# Altium PCB Wireless_Detector.PcbDoc (part 1 of 2)
Units mil, origin at the board's own origin, x right, y up, seen from the top; angles counter-clockwise.
Board outline 3157.48 x 3606.3 mil, 4 copper layers (Top Layer, GND, PWR, Bottom Layer), stack 53.912 mil thick; 127 components, 88 nets, 453 pads, 190 vias.
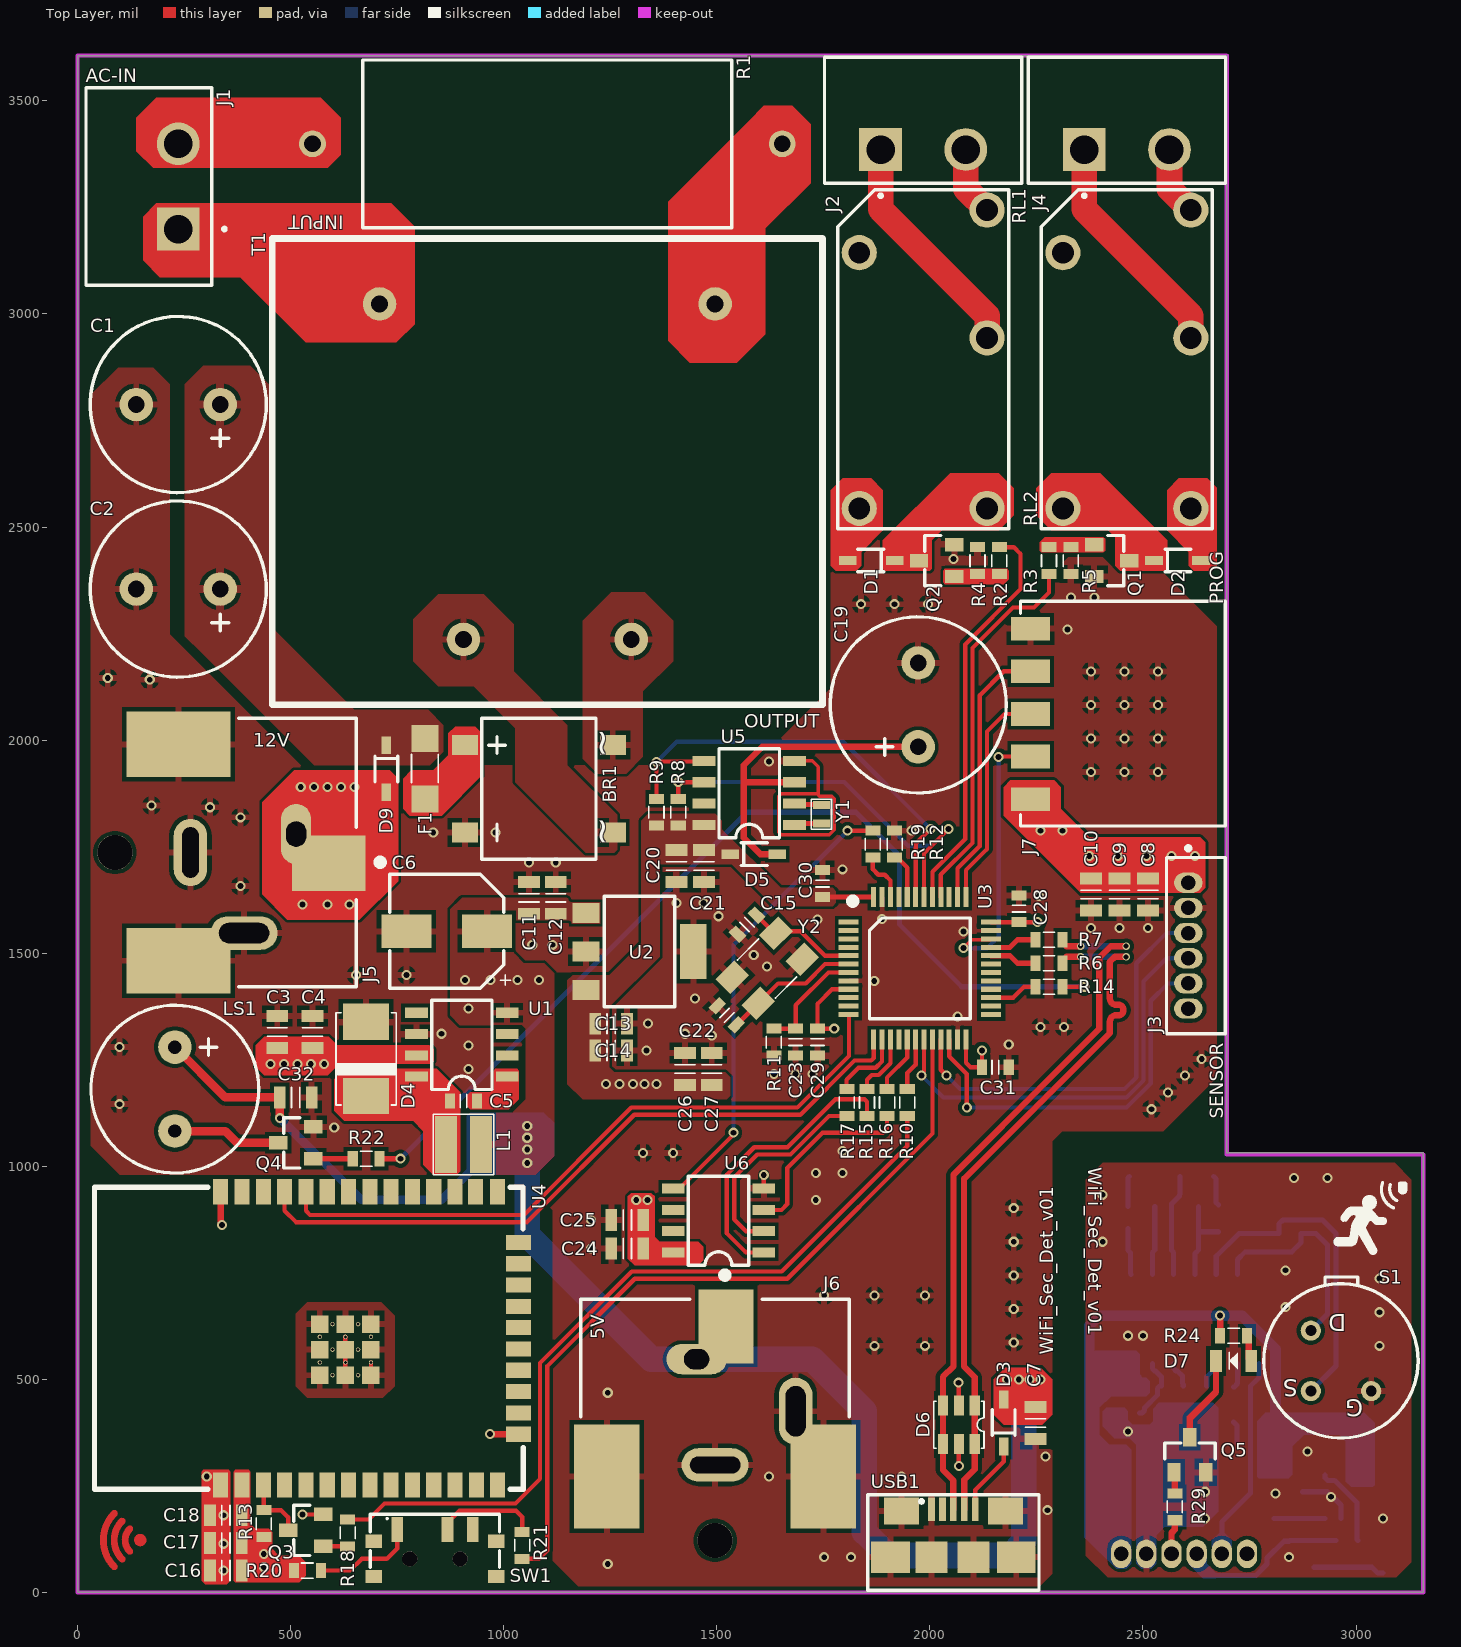
[diagram p0: Top Layer view]
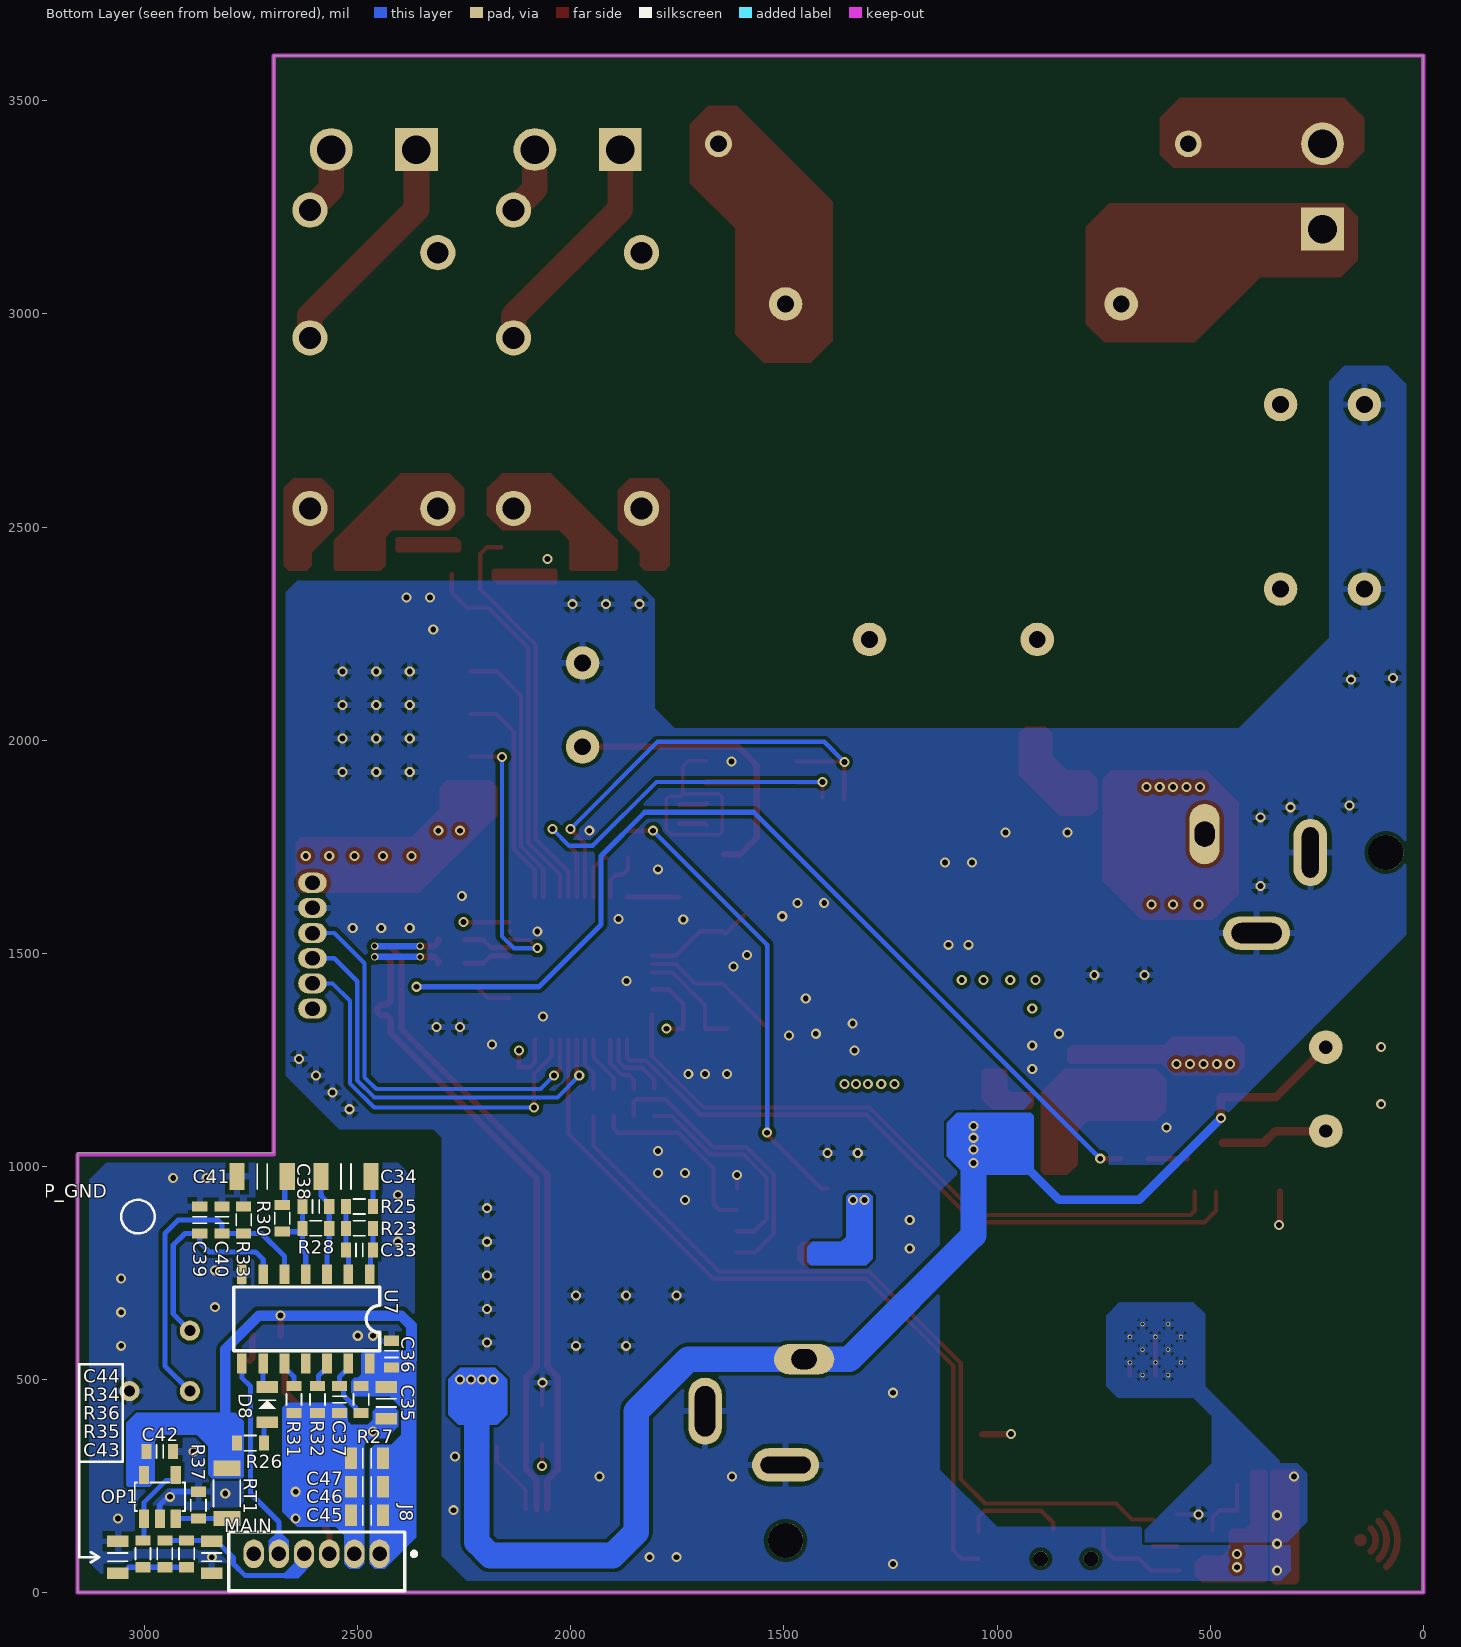
[diagram p1: Bottom Layer view, seen from below]
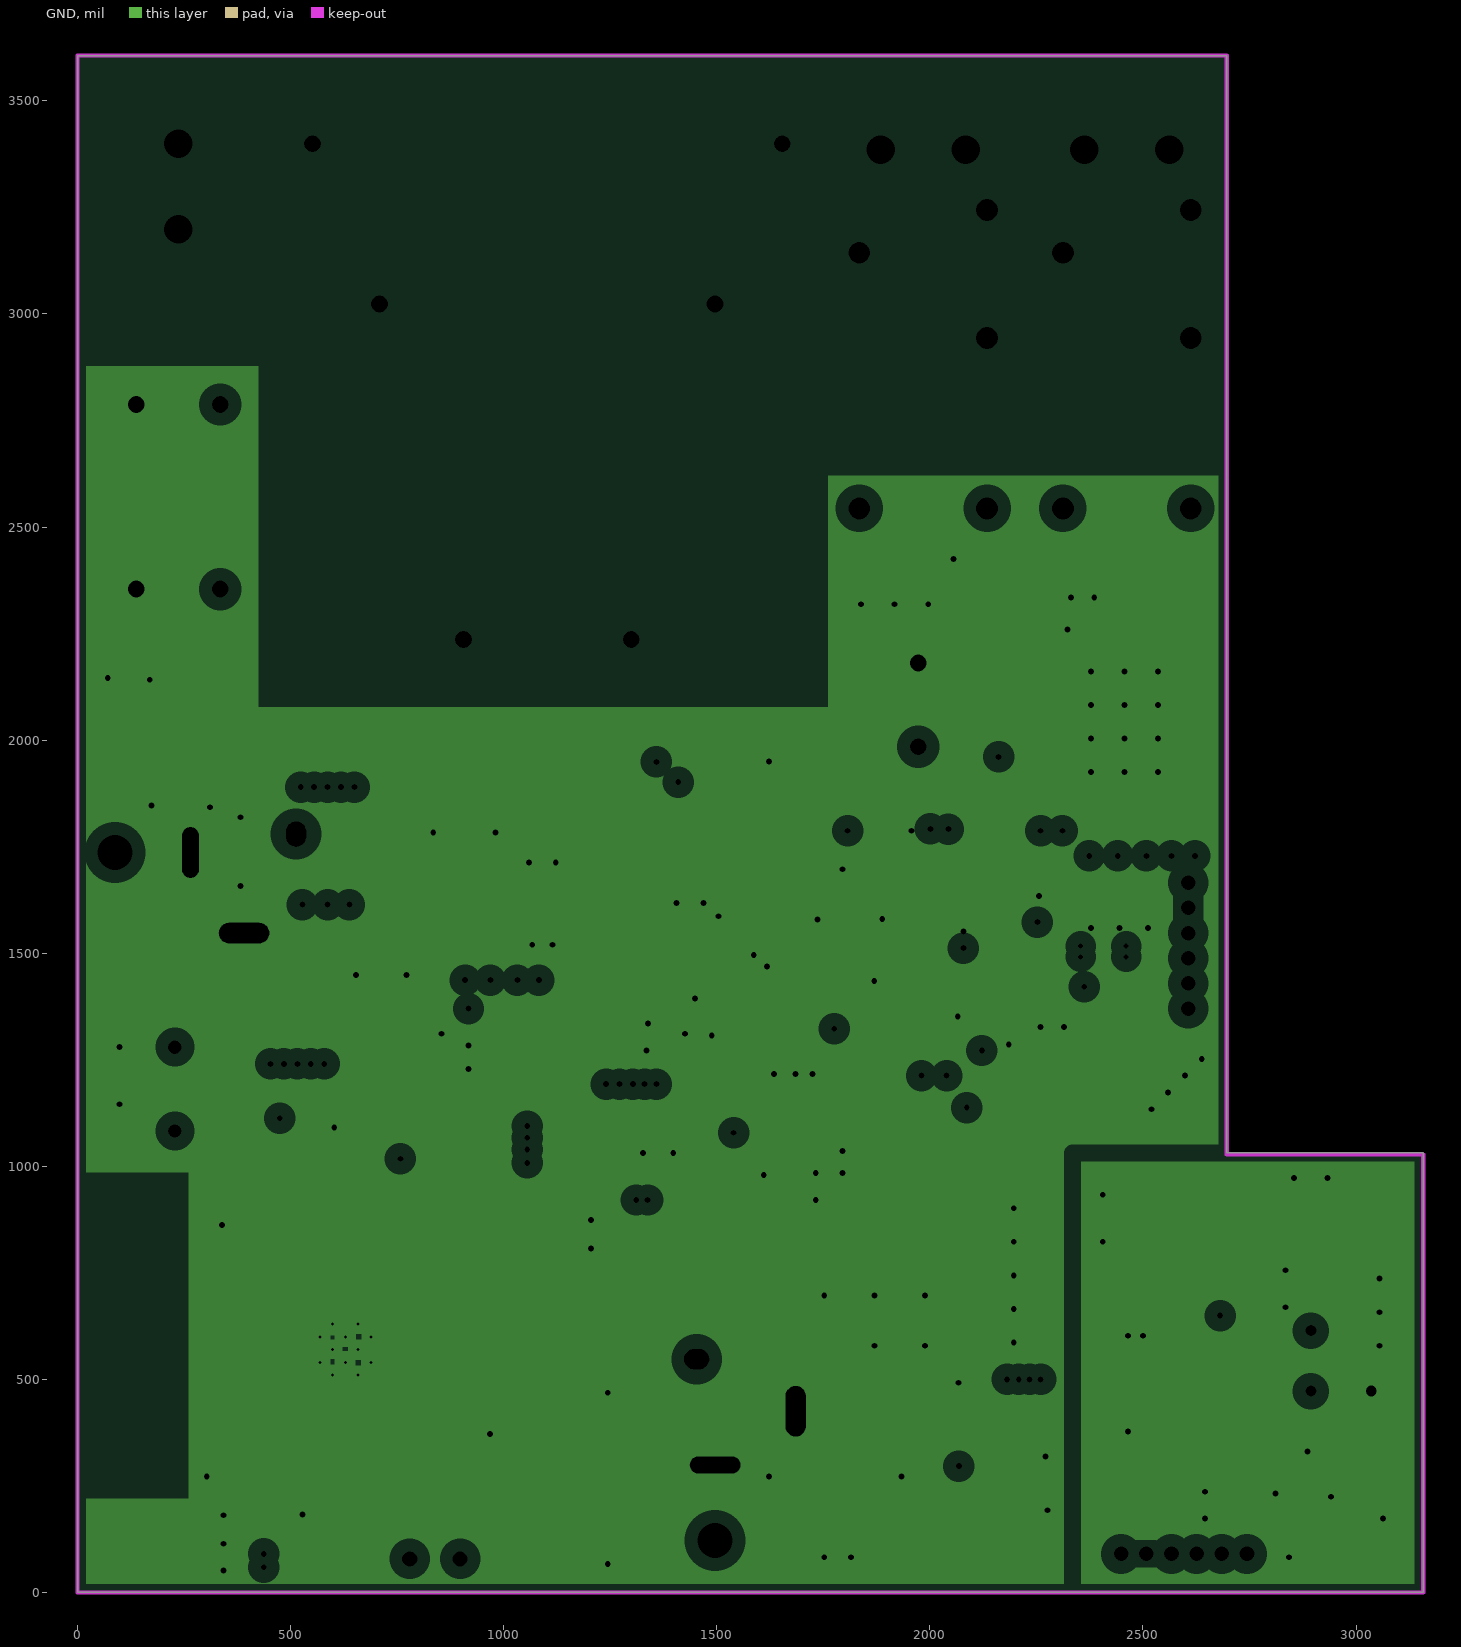
[diagram p2: GND, clearances drawn from the general rule]
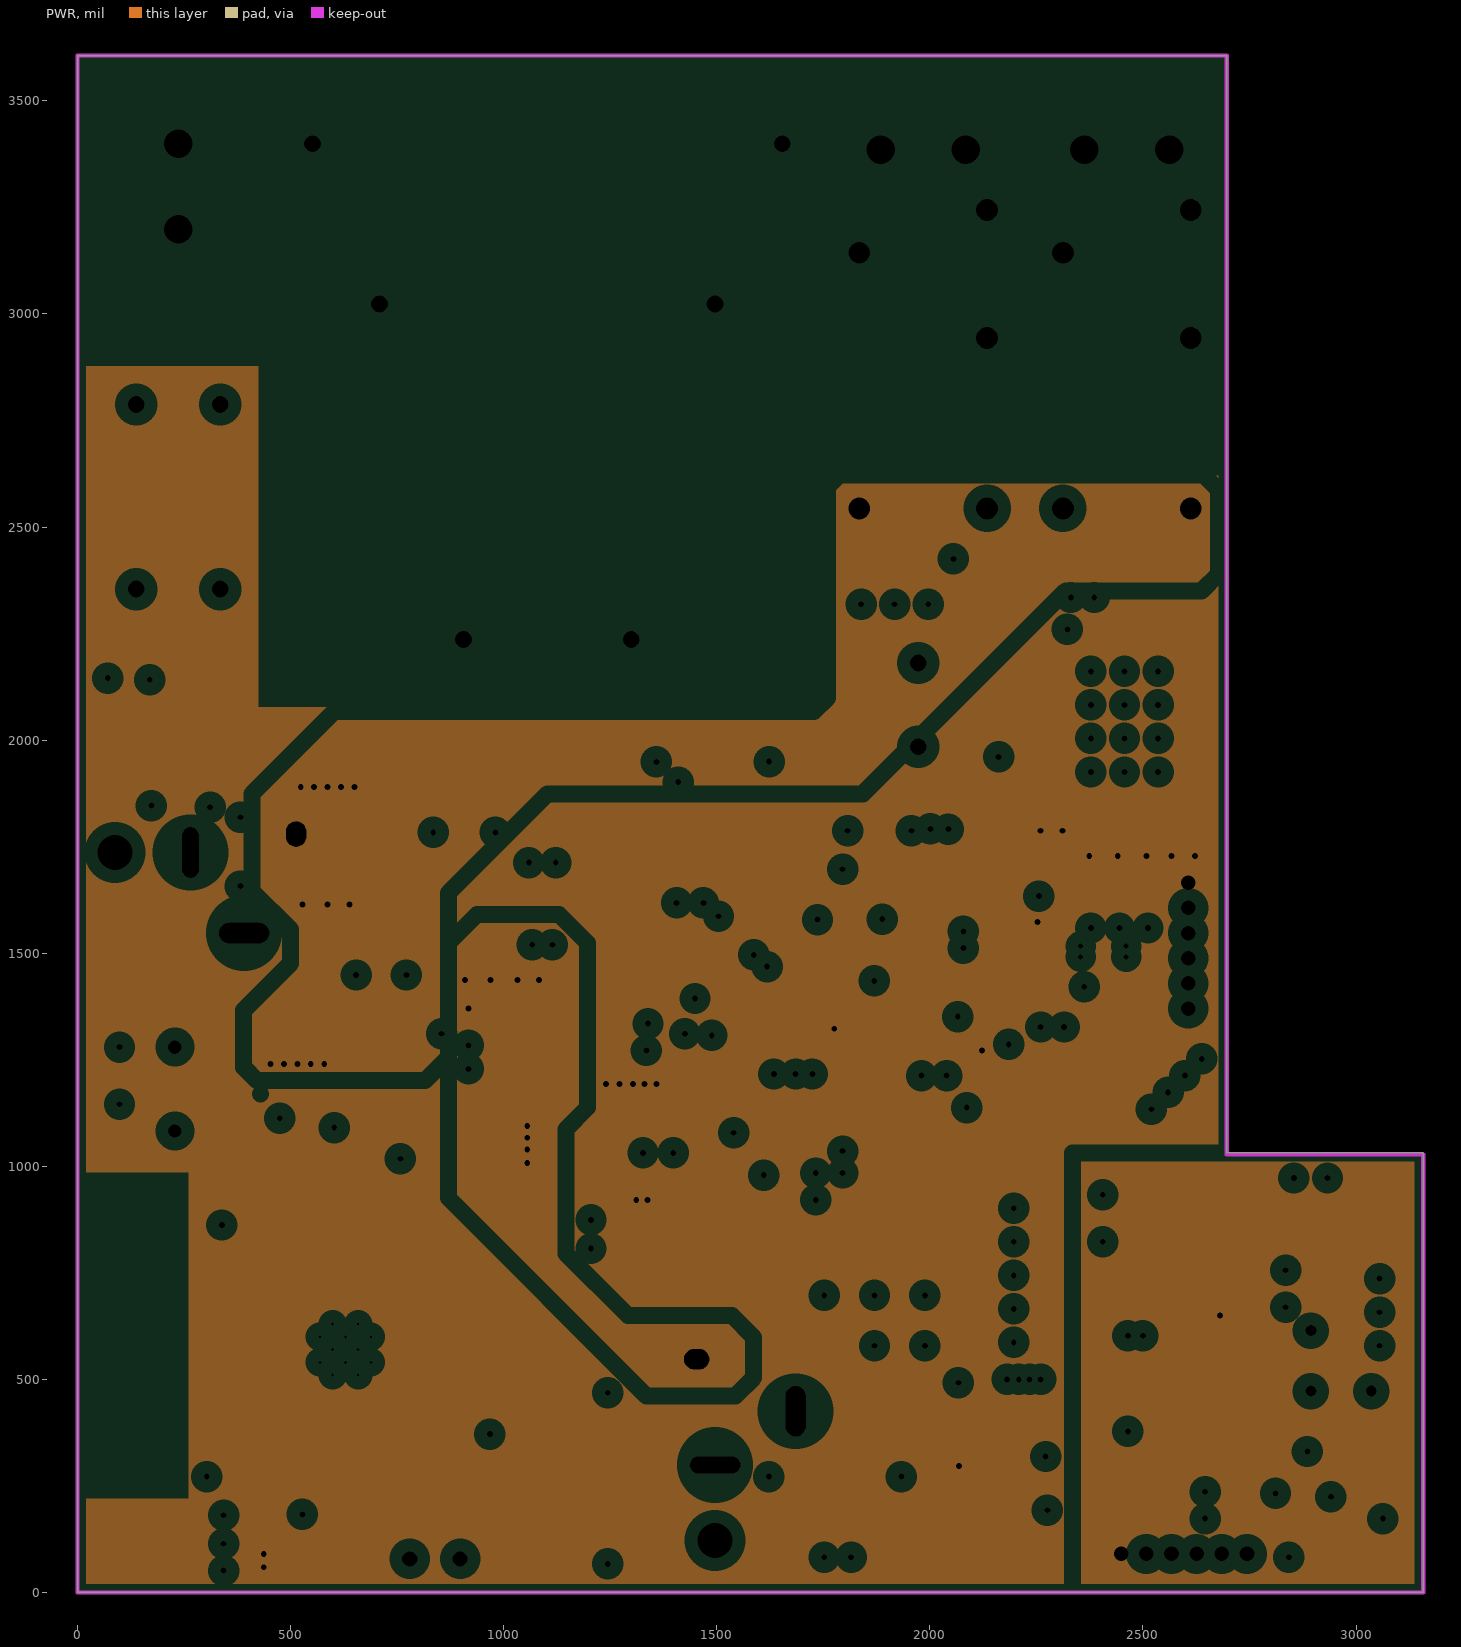
[diagram p3: PWR, clearances drawn from the general rule]
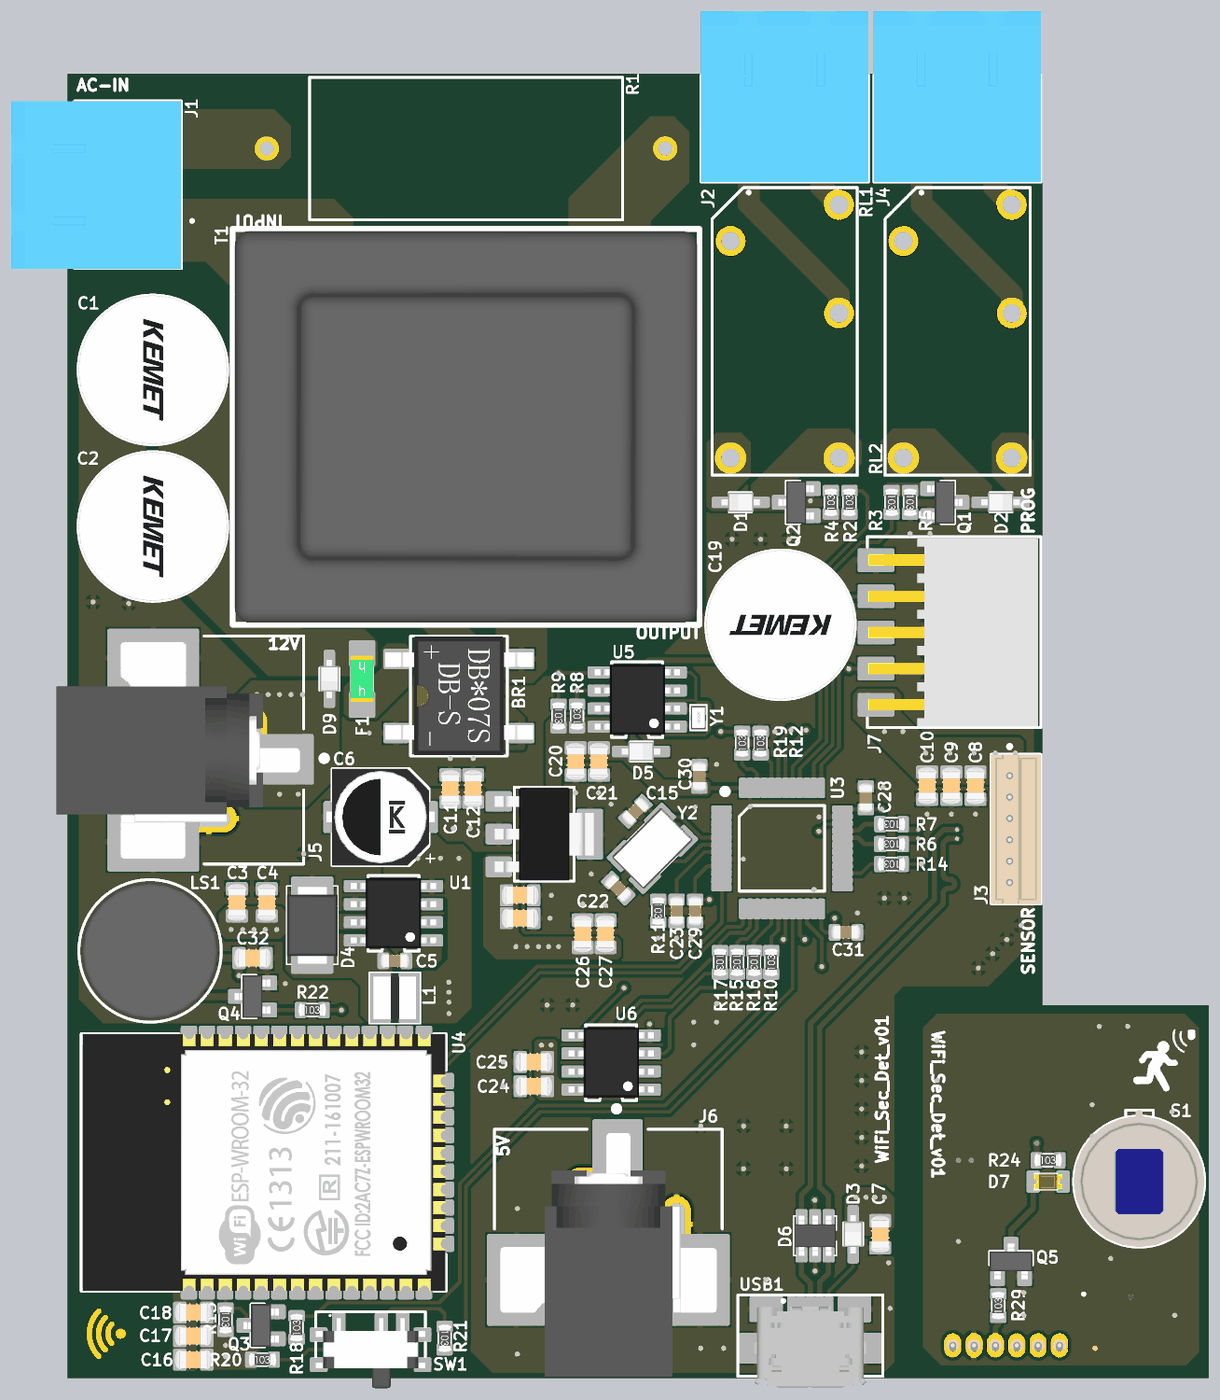
[diagram p5: 3D render of the assembled board from above, using the file's embedded part models]
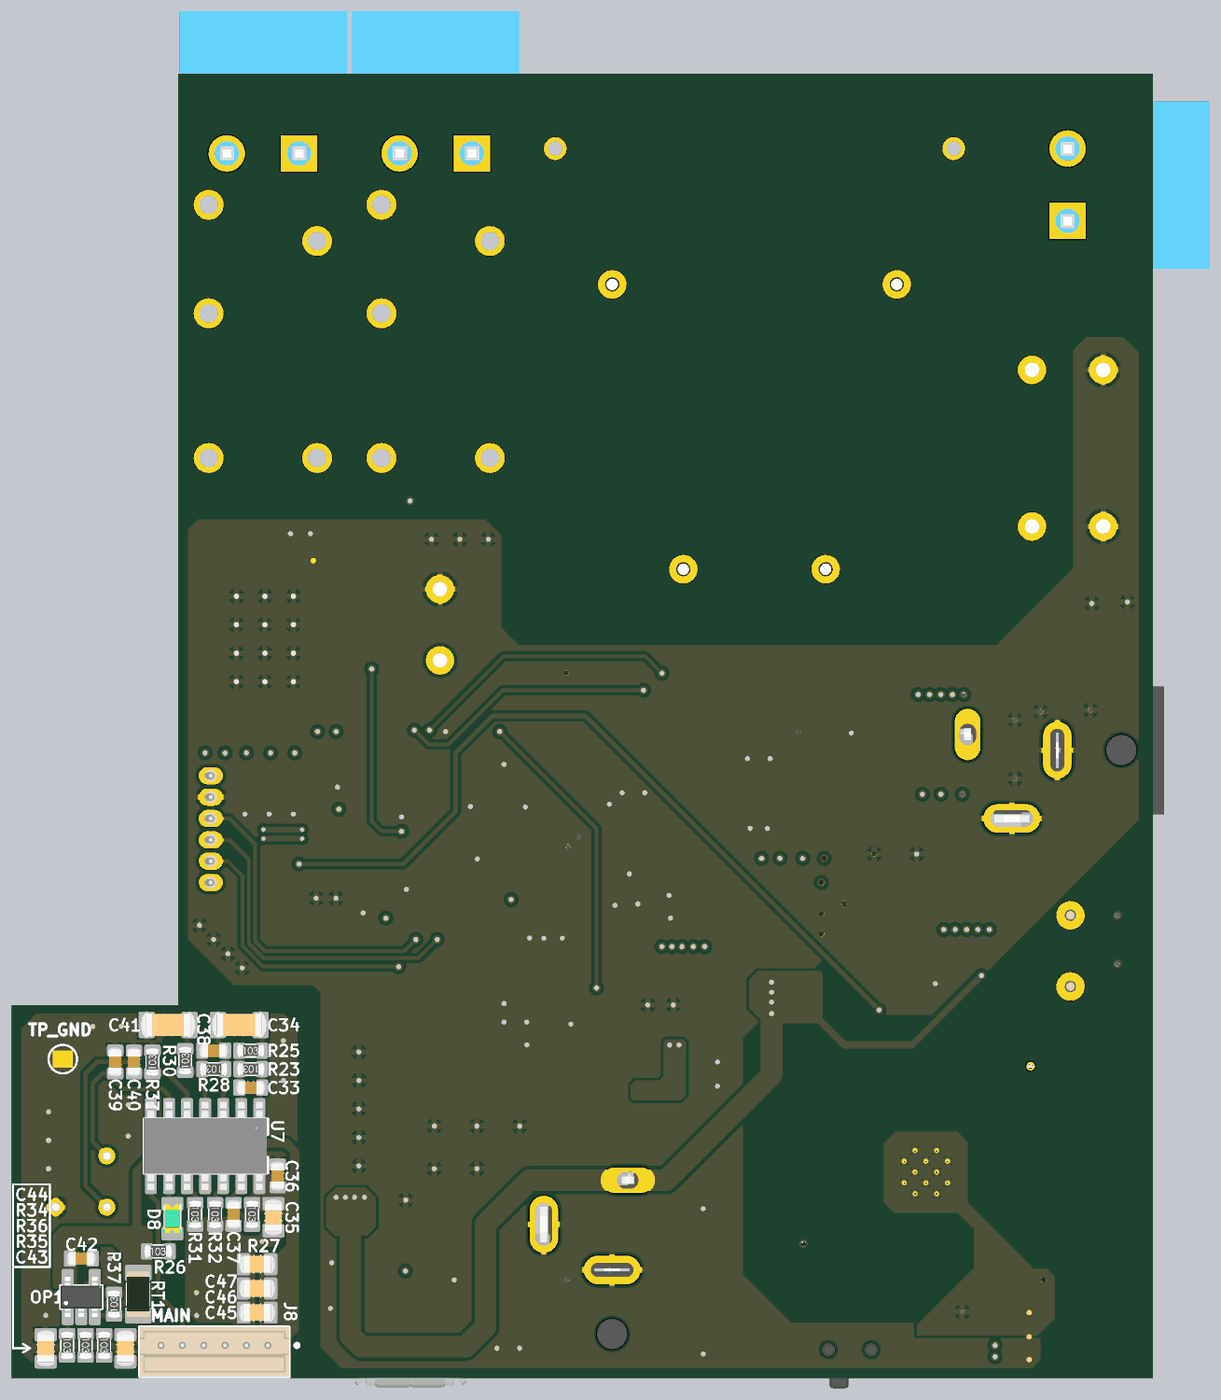
[diagram p6: 3D render of the assembled board from below, using the file's embedded part models]

## Layer stack, top to bottom
Top Solder: solder mask 1, SM-001, Dk 4
Top Layer: signal copper 1.378
Dielectric 1: prepreg 5.1, PP-017, Dk 4.3
Dielectric 2: prepreg 5.1, PP-017, Dk 4.3
GND: plane copper 1.378, net (Multiple Nets)
Dielectric 3: core 28, Core-039, Dk 4.8
PWR: plane copper 1.378, net (Multiple Nets)
Dielectric 4: prepreg 5.1, PP-017, Dk 4.3
Dielectric 5: prepreg 5.1, PP-017, Dk 4.3
Bottom Layer: signal copper 1.378
Bottom Solder: solder mask 1, SM-001, Dk 4

## Board outline
0,0 0,3606.3 2696.85,3606.3 2696.85,1031.5 3157.48,1031.5 3157.48,0

## Design rules (kind name [scope] priority, off if disabled: settings)
Clearance [All] p1: gap=9 ignorepadtopadclearanceinfootprint=TRUE except(0: Arc-Text Track-Text SMDPad-Text THPad-Text Via-Text Fill-Text Poly-Text Region-Text Text-Text Text-Hole; 7: Arc-Arc Arc-Track Arc-SMDPad Arc-Via Track-Track Track-SMDPad Track-Via Via-Via Fill-Fill Fill-Poly Fill-Region Poly-Poly Poly-Region Region-Region; 8: SMDPad-SMDPad SMDPad-THPad THPad-THPad; 10: Arc-THPad Track-THPad SMDPad-Via THPad-Via)
ComponentClearance [All] p1: gap=5 collisioncheckmode=3 verticalgap=0 showdistances=FALSE
Creepage [All] p1: checkdistance=10
DiffPairsRouting [InDifferentialPair('USB')] p1: maxlimit=10 minlimit=10 mostfreqgap=10 toplayer_minwidth=14.7 toplayer_maxwidth=14.7 toplayer_prefwidth=14.7 bottomlayer_minwidth=14.7 bottomlayer_maxwidth=14.7 bottomlayer_prefwidth=14.7 impedanceprofiledriven=TRUE impedanceprofileid={6A835827-EBD8-41AB-B1D9-0F6F953F713F} impedanceprofilevalue=90.000000 maxuncoupledlength=500
DiffPairsRouting DiffPairsRouting_1 [InDifferentialPair('MCU')] p2: maxlimit=7 minlimit=7 mostfreqgap=7 toplayer_minwidth=12 toplayer_maxwidth=12 toplayer_prefwidth=12 bottomlayer_minwidth=12 bottomlayer_maxwidth=12 bottomlayer_prefwidth=12 impedanceprofiledriven=TRUE impedanceprofileid={0C771ABC-A88B-435B-89C2-C640DBF4B31C} impedanceprofilevalue=90.000000 maxuncoupledlength=500
HoleToHoleClearance [All] p1: gap=8 allowstackedmicrovias=TRUE
MinimumSolderMaskSliver [All] p1: minsoldermaskwidth=0
NetAntennae [All] p1: netantennaetolerance=10
PasteMaskExpansion [All] p1: expansion=5
PlaneClearance [All] p1: clearance=30
PlaneConnect [All] p1: planeconnectstyle=Relief reliefexpansion=15 reliefentries=4 reliefconductorwidth=15 reliefairgap=10
PolygonConnect [All] p1: connectstyle=Relief reliefconductorwidth=15 reliefentries=4 polygonreliefangle="90 Angle" airgapwidth=10
RoutingCorners [All] p1: cornerstyle=45-Degree minsetback=80 maxsetback=80
RoutingVias [All] p1: holewidth=11.81 width=19.68 viastyle="Through Hole" minholewidth=9.84 minwidth=15.75 maxholewidth=19.68 maxwidth=39.37
SMDEntry [All] p1 off: side=TRUE corner=TRUE anyangle=TRUE
SMDToCorner [All] p1 off: distance=10000
SMDToPlane [All] p1 off: distance=10000
SilkToSilkClearance [All] p1: silktosilkclearance=0
SilkToSolderMaskClearance [IsPad] p1: minsilkscreentomaskgap=0 clearancetoexposedcopper=TRUE
SolderMaskExpansion [All] p1: expansion=4 istentingtop=FALSE
UnRoutedNet [All] p1: checkbadconnections=TRUE
Width [All] p1: maxlimit=70 minlimit=8 preferedwidth=15 minimp=50.000000 maximp=50.000000 favimp=50.000000
18 further rules are at their usual default settings.

## Classes and differential pairs
component class Sensor_Board: C33 C34 C35 C36 C37 C38 C39 C40 C41 C42 C43 C44 C45 C46 C47 D7 D8 J8 OP1 Q5 R23 R24 R25 R26 R27 R28 R29 R30 R31 R32 R33 R34 R35 R36 R37 RT1 S1 U7
component class "Power Management": BR1 C1 C2 C3 C4 C5 C6 C7 C8 C9 C10 C11 C12 C13 C14 D1 D2 D3 D4 D9 F1 J1 J2 J3 J4 J5 J6 J7 L1 Q1 Q2 R1 R2 R3 R4 R5 RL1 RL2 T1 U1 U2 USB1
component class Microcontroller: C15 C16 C17 C18 C19 C20 C21 C22 C23 C24 C25 C26 C27 C28 C29 C30 C31 C32 D5 D6 LS1 Q3 Q4 R6 R7 R8 R9 R10 R11 R12 R13 R14 R15 R16 R17 R18 R19 R20 R21 R22 SW1 U3 U4 U5 U6 Y1 Y2
differential pair MCU: +MCU_P -MCU_N
differential pair USB: +USB_P -USB_N

## Components (designator, comment, footprint, x,y, rotation, side; value= is the part's Value field where it differs from the comment)
BR1 "DB105S" DB105S 1082.68,1885.83 r90 top
C1 "ESH477M050AH4AA" CAP_RADIAL_D10_P5 236.22,2787.4 r270 top
C2 "ESH477M050AH4AA" CAP_RADIAL_D10_P5 236.22,2354.33 r270 top
C3 "CL21B105KBFNNNE" C0805_CER 468.5,1314.96 r270 top
C4 "CL21B104KBCNNNC" C0805_CER 551.18,1314.96 r270 top
C5 "0603B103K160CT" C0603_CER 905.51,1153.54 r180 top
C6 "EEV686M035A9HAA" CAP_EEV_SERIES 866.14,1551.18 r180 top
C7 "CL21A475KAQNNNE" C0805_CER 2248.03,397.64 r90 top
C8 "CL21A475KAQNNNE" C0805_CER 2511.81,1637.8 r90 top
C9 "CL21A475KAQNNNE" C0805_CER 2444.88,1637.8 r90 top
C10 "CL21B105KBFNNNE" C0805_CER 2377.95,1637.8 r90 top
C11 "CL21B105KBFNNNE" C0805_CER 1059.06,1629.92 r270 top
C12 "CL21B104KBCNNNC" C0805_CER 1122.05,1629.92 r270 top
C13 "CL21A475KAQNNNE" C0805_CER 1251.97,1334.65 r180 top
C14 "CL21B105KBFNNNE" C0805_CER 1251.97,1271.65 r180 top
C15 "CL10C200JB8NNNC" C0603_CER 1570.87,1566.93 r45 top
C16 "CL21A475KAQNNNE" C0805_CER 347.95,51.18 r0 top
C17 "CL21B105KBFNNNE" C0805_CER 347.95,116.14 r0 top
C18 "CL21B104KBCNNNC" C0805_CER 347.95,181.1 r0 top
C19 "ESH477M050AH4AA" CAP_RADIAL_D10_P5 1972.44,2082.68 r180 top
C20 "CL21B105KBFNNNE" C0805_CER 1405.51,1704.72 r90 top
C21 "CL21B104KBCNNNC" C0805_CER 1469.79,1704.72 r90 top
C22 "CL10C200JB8NNNC" C0603_CER 1523.62,1354.33 r315 top
C23 "C0603C104K5RAC7411" C0603_CER 1685.04,1291.34 r90 top
C24 "CL21B105KBFNNNE" C0805_CER 1289.96,807.09 r0 top
C25 "CL21B104KBCNNNC" C0805_CER 1289.96,874.02 r0 top
C26 "CL21A475KAQNNNE" C0805_CER 1425.2,1228.35 r270 top
C27 "CL21B105KBFNNNE" C0805_CER 1488.19,1228.35 r270 top
C28 "C0603C104K5RAC7411" C0603_CER 2208.66,1604.33 r270 top
C29 "C0603C104K5RAC7411" C0603_CER 1736.22,1291.34 r90 top
C30 "C0603C104K5RAC7411" C0603_CER 1748.03,1663.39 r270 top
C31 "C0603C104K5RAC7411" C0603_CER 2153.54,1232.28 r180 top
C32 "CL21B104KBCNNNC" C0805_CER 511.81,1161.42 r180 top
C33 "0603B103K160CT" C0603_CER 2496.06,803.15 r180 bottom
C34 "C3216X5R1E336M160AC" C1206_CER 2527.56,976.38 r180 bottom
C35 "CL21B105KBFNNNE" C0805_CER 2433.07,444.88 r90 bottom
C36 "C0603C104K5RAC7411" C0603_CER 2421.26,559.06 r270 bottom
C37 "C0603C104K5RAC7411" C0603_CER 2543.31,452.76 r90 bottom
C38 "0603B103K160CT" C0603_CER 2598.43,905.51 r180 bottom
C39 "C0603C104K5RAC7411" C0603_CER 2870.8,874.02 r270 bottom
C40 "C0603C104K5RAC7411" C0603_CER 2818.9,874.02 r270 bottom
C41 "C3216X5R1E336M160AC" C1206_CER 2724.41,976.38 r180 bottom
C42 "C0603C104K5RAC7411" C0603_CER 2964.57,330.71 r180 bottom
C43 "CL21A475KAQNNNE" C0805_CER 3062.99,82.68 r270 bottom
C44 "CL21B105KBFNNNE" C0805_CER 2842.52,82.68 r90 bottom
C45 "CL21A475KAQNNNE" C0805_CER 2478.35,181.1 r180 bottom
C46 "CL21A475KAQNNNE" C0805_CER 2478.35,248.03 r180 bottom
C47 "CL21B105KBFNNNE" C0805_CER 2478.35,314.96 r180 bottom
D1 "1N4148WS" SOD-323F 1862.2,2421.26 r180 top
D2 "1N4148WS" SOD-323F 2581.1,2421.26 r0 top
D3 "1N4148WS" SOD-323F 2173.23,397.64 r90 top
D4 "1SMB5919BT3G" SMB 677.17,1251.97 r90 top
D5 "1N4148WS" SOD-323F 1586.61,1732.28 r0 top
D6 "USBLC6-2SC6" SOT23-6L 2067.91,393.7 r180 top
D7 "LH R974-LP-1-0-20-R18" LED_RED_0805 2712.6,543.31 r0 top
D8 "LTST-C171GKT" LED_GREEN_0805 2712.6,440.94 r270 bottom
D9 "1N4148WS" SOD-323F 724.41,1933.07 r270 top
F1 "3413.0216.22" F1206 814.96,1933.07 r90 top
J1 "TBP01R1-508-02BE" TBP01R1-508-02BE 236.22,3299.21 r90 top
J2 "TBP01R1-508-02BE" TBP01R1-508-02BE 1984.25,3385.83 r0 top
J3 "64800611622" 64800611622_CONN_6PINN 2606.3,1517.72 r270 top
J4 "TBP01R1-508-02BE" TBP01R1-508-02BE 2462.2,3385.83 r0 top
J5 "PJ-037AH-SMT-TR" PJ-037AH-SMT-TR 338.58,1736.22 r0 top
J6 "PJ-037AH-SMT-TR" PJ-037AH-SMT-TR 1496.06,373.03 r90 top
J7 "SMH-105-02-L-S" "HEADER 2.54MM 1X5 - H SMD" 2236.22,2061.42 r90 top
J8 "64800611622" 64800611622_CONN_6PINN 2596.46,90.55 r0 bottom
L1 "78438335470" IND_1212 905.51,1051.18 r0 top
LS1 "CMI-9605IC-0580T" CMI-9605IC-0580T 228.35,1181.1 r0 top